# Altium PCB RFSOC_SAWG.PcbDoc (part 1 of 15) (continued)
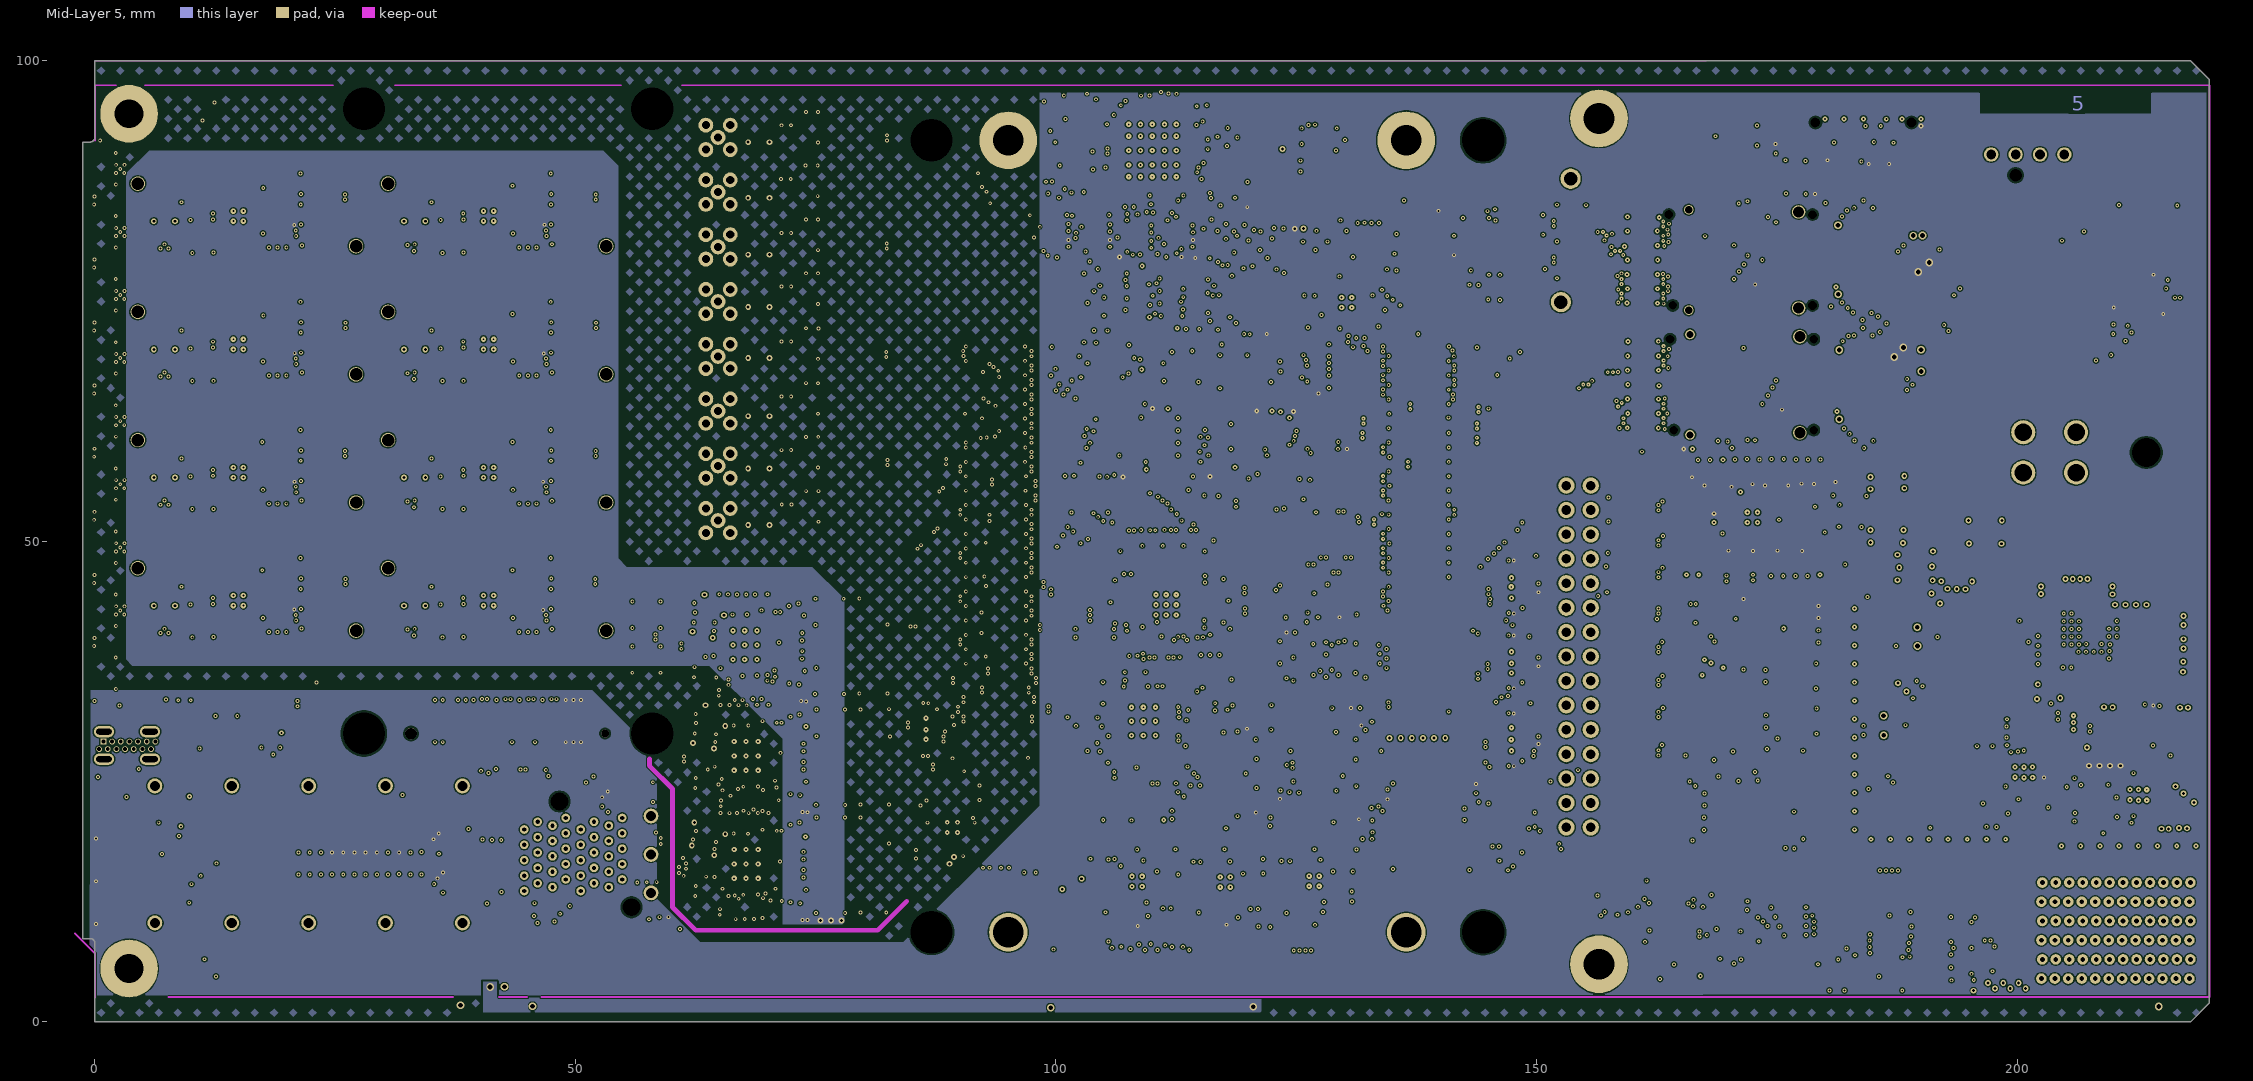
[diagram p5: Mid-Layer 5]
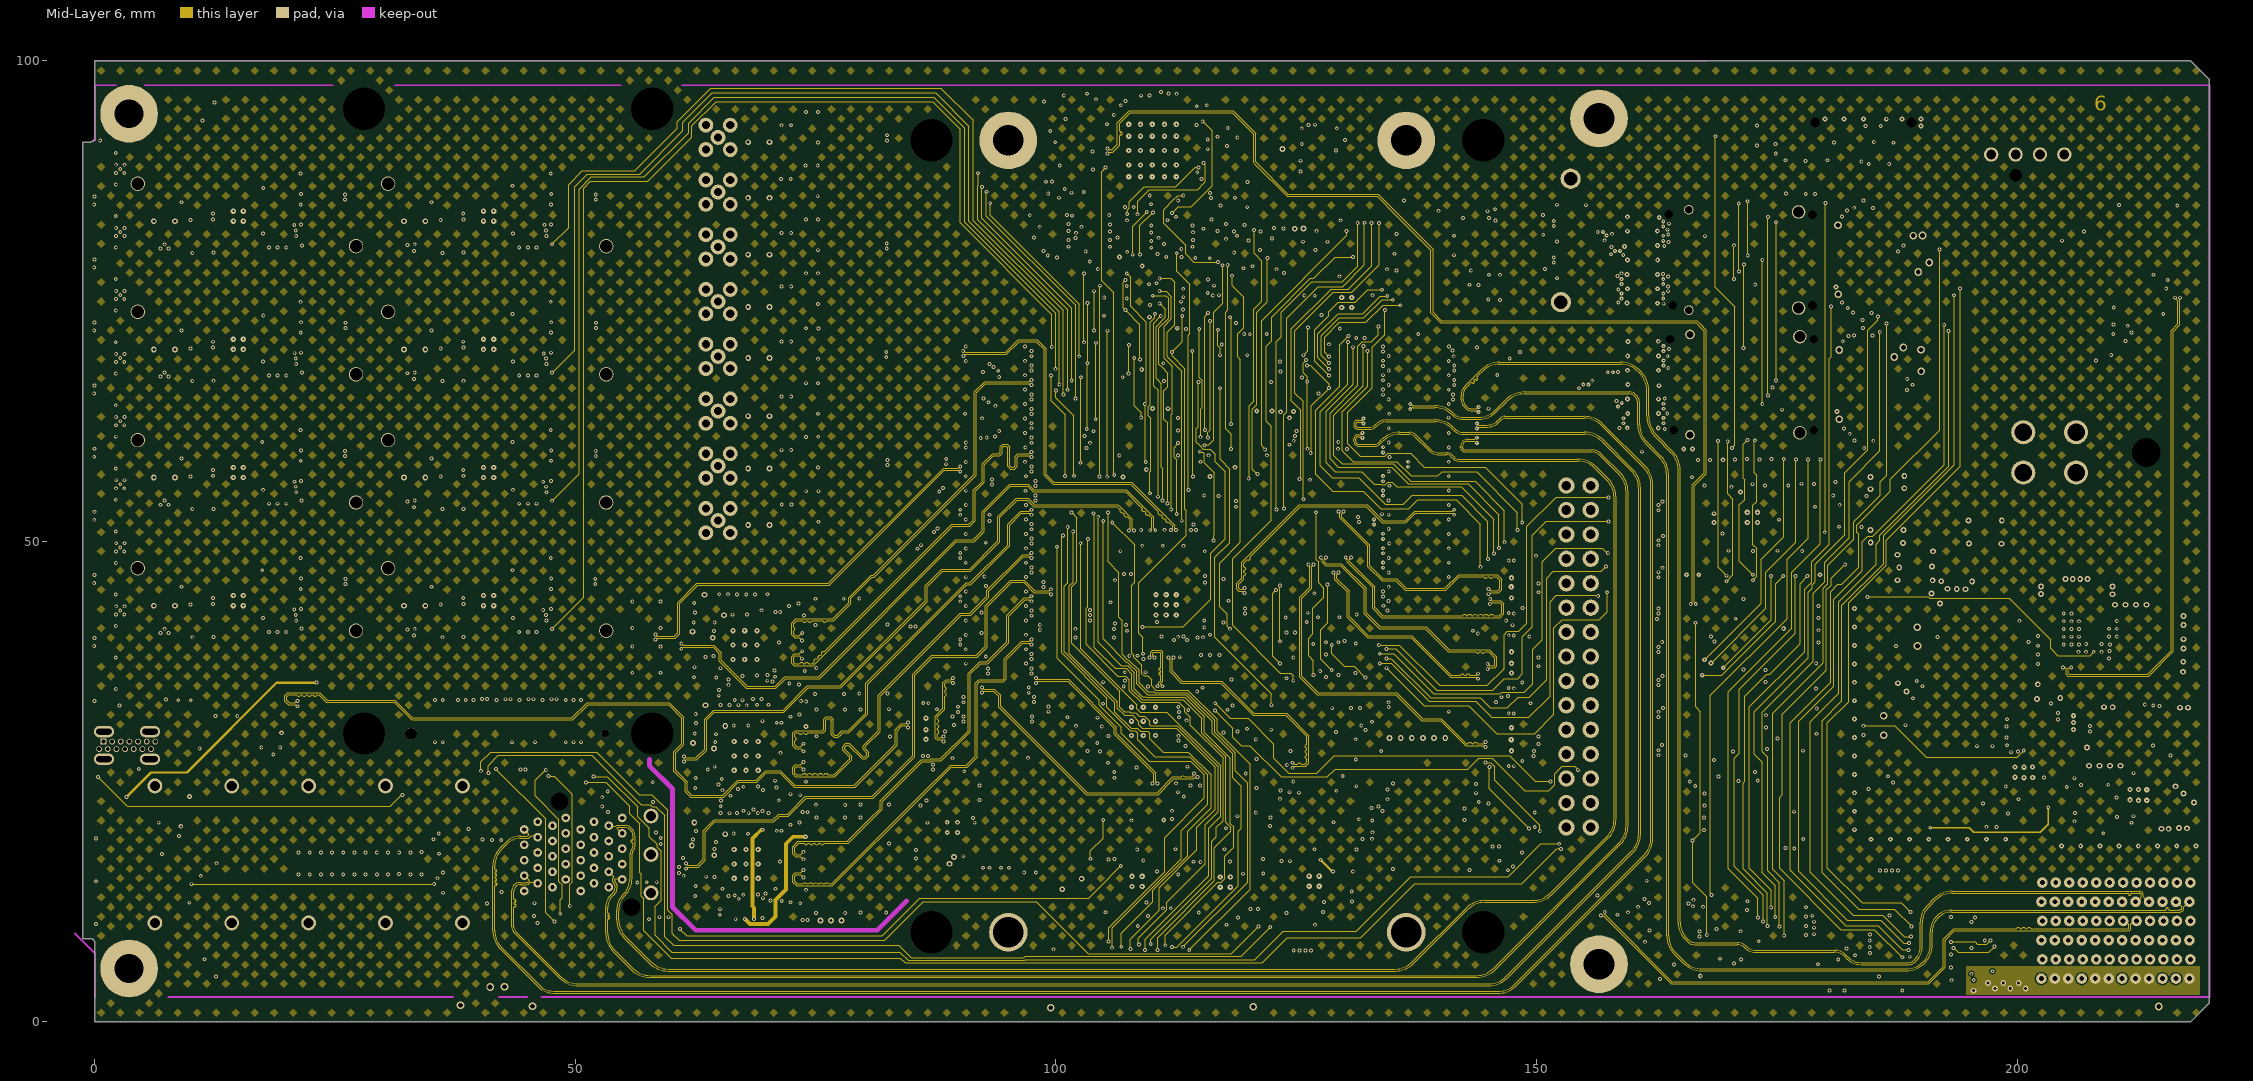
[diagram p6: Mid-Layer 6]
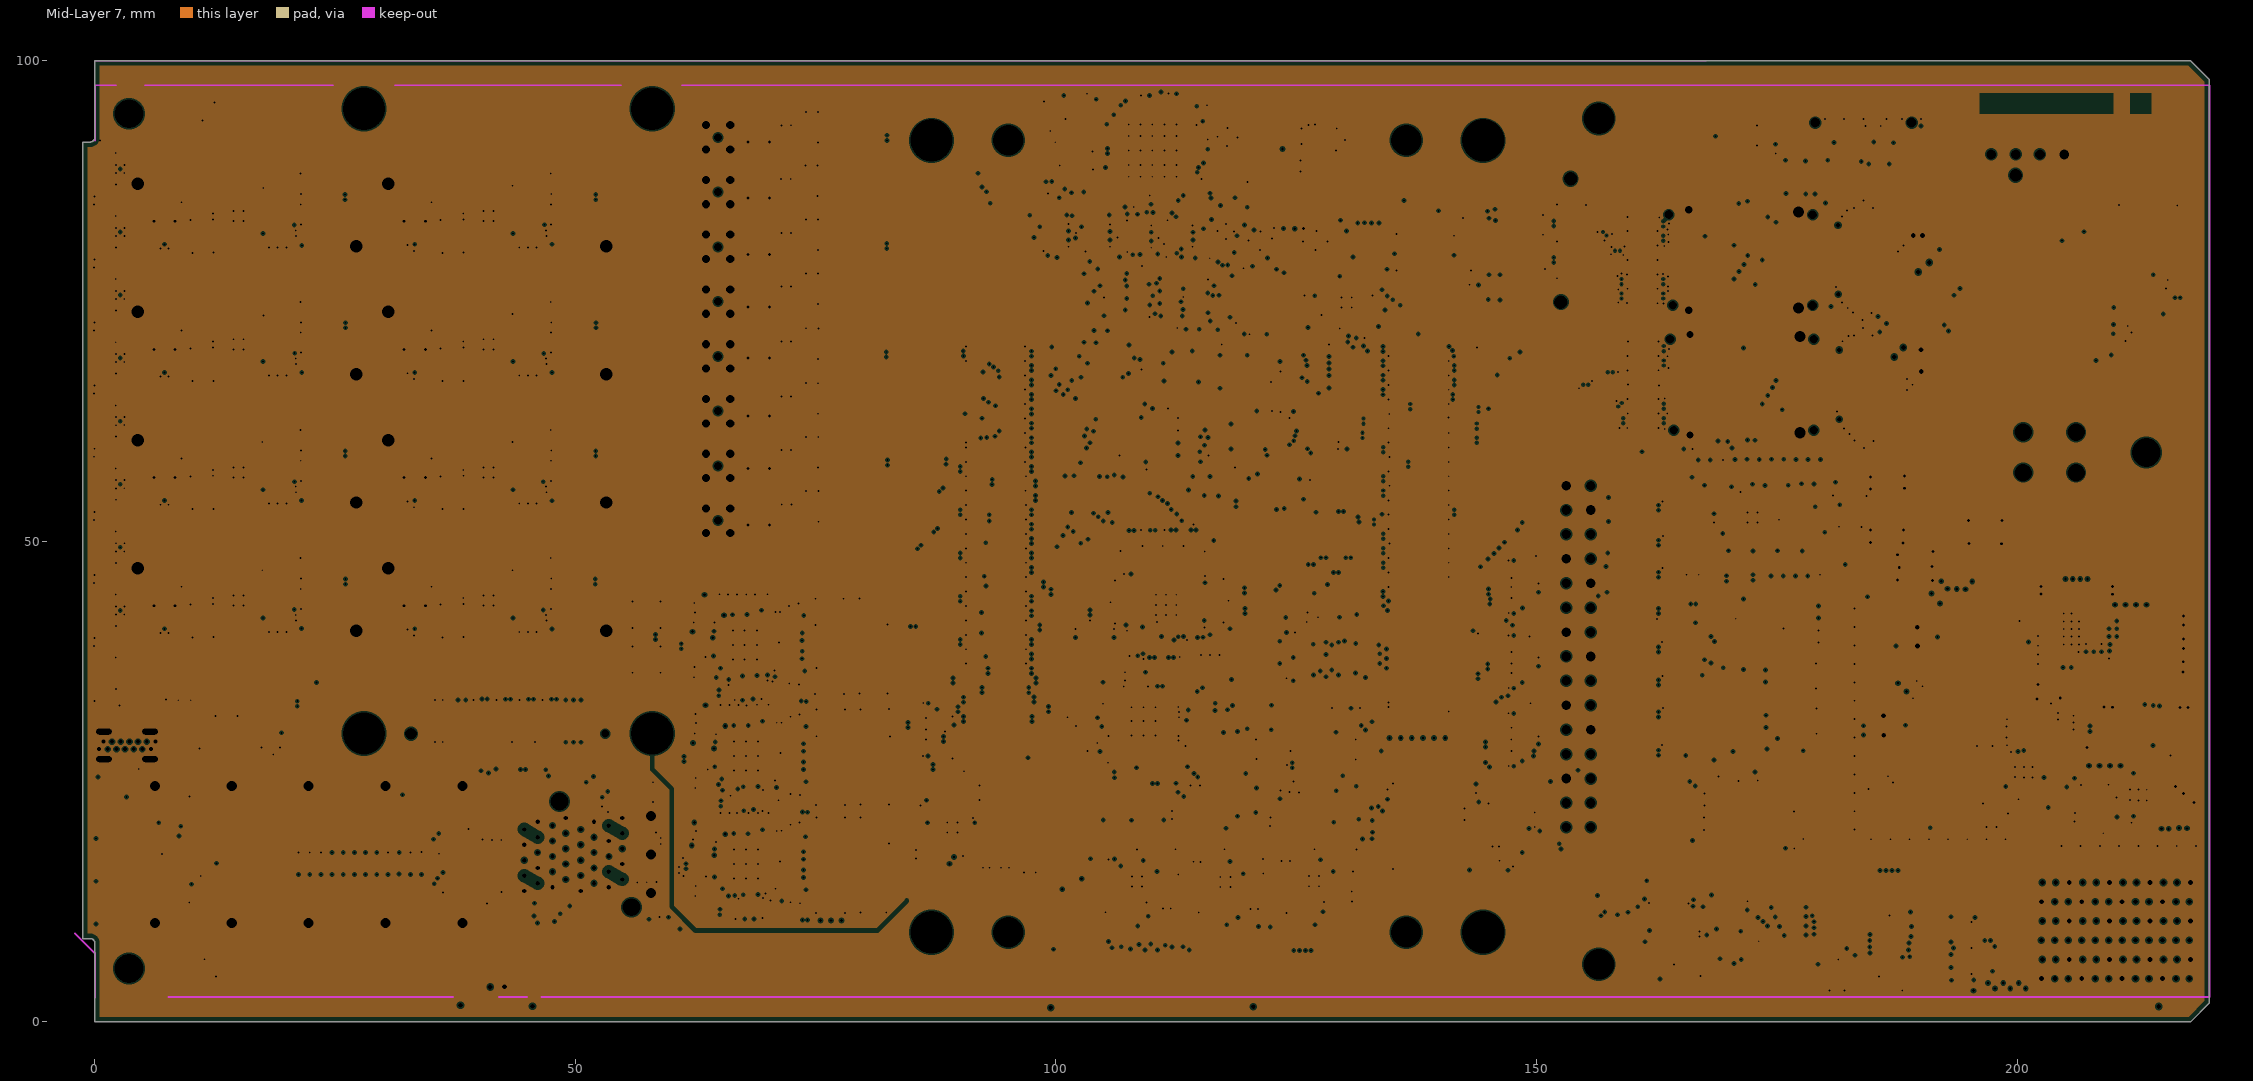
[diagram p7: Mid-Layer 7, clearances drawn from the general rule]

## Layer stack, top to bottom
Top Solder: solder mask 0.0102, Solder Resist, Dk 3.5
Top Layer: signal copper 0.047
Dielectric 1: dielectric 0.063, FR-4, Dk 4.3
Mid-Layer 2: plane copper 0.0175, net GND
Dielectric3: dielectric 0.2, FR-4, Dk 4.2
Mid-Layer 3: signal copper 0.0175
Dielectric5: dielectric 0.11, FR-4, Dk 4.2
Mid-Layer 4: signal copper 0.0175
Dielectric6: dielectric 0.51, FR-4, Dk 4.2
Mid-Layer 5: signal copper 0.0175
Dielectric2: dielectric 0.11, FR-4, Dk 4.2
Mid-Layer 6: signal copper 0.0175
Dielectric4: dielectric 0.2, FR-4, Dk 4.2
Mid-Layer 7: plane copper 0.0175, net GND
Dielectric7: dielectric 0.063, FR-4, Dk 4.3
Bottom Layer: signal copper 0.047
Bottom Solder: solder mask 0.0102, Solder Resist, Dk 3.5

## Board outline
-1.25,8.675 -1.25,91.547 -0.475,91.547 ccw(c-0.475,92.022) 0,92.022 0,100 -0.001,100 218.038,100 220,98.039 220,1.961 218.039,0 0,0 0,8.2 ccw(c-0.475,8.2) -0.475,8.675

## Design rules (kind name [scope] priority, off if disabled: settings)
AcuteAngle [All] p1: minimum=6.00000000000000E+0001 checktracksonly=FALSE
Clearance Clearance_balance [InNamedPolygon('balance')] p1: gap=0.2 ignorepadtopadclearanceinfootprint=FALSE except(0.4: Arc-Poly THPad-Poly Via-Poly)
Clearance Clearance_FF [InNetClass('FF') vs IsRegion] p2: gap=0.15 ignorepadtopadclearanceinfootprint=FALSE
Clearance Clearance_NPTH [(HoleDiameter > 0) And (PadIsPlated = 'False')] p3: gap=0.2 ignorepadtopadclearanceinfootprint=FALSE
Clearance Clearance_PWR_poly [IsRegion vs IsRegion] p4: gap=0.254 ignorepadtopadclearanceinfootprint=FALSE
Clearance Clearance_NT [InComponent('NT1')] p5: gap=0 ignorepadtopadclearanceinfootprint=FALSE
Clearance Clearance_BGA [HasFootprint('BGA49N80P7X7_625X625X536') or HasFootprint('MPS_MPM38XXGQV')] p6: gap=0.1 ignorepadtopadclearanceinfootprint=FALSE
Clearance Clearance_USB_Con [InComponent('J8') vs InNet('USB_D_R_N')] p7: gap=0.085 ignorepadtopadclearanceinfootprint=FALSE
Clearance [All] p8: gap=0.127 ignorepadtopadclearanceinfootprint=FALSE
ComponentClearance ComponentClearance_3Dbody [InComponent('J25') or InComponent('J24') or InComponent('J5') or InComponent('J6') or InComponent('J22') or InComponent('J23') or HasFootprint('AMPHENOL_302102')  or InComponent('J8') or InComponent('J53')  or InComponent('M*')  or InComponent('s*')  or OnLayer('Mechanical 13') vs isfree and OnLayer('Mechanical 13')] p1: gap=0 collisioncheckmode=3 verticalgap=0 showdistances=FALSE
ComponentClearance ComponentClearance_overlapping [InComponent('IC35') or InComponent('IC15') or InComponent('C196') or InComponent('IC5') or  InComponent('IC53')] p2: gap=0 collisioncheckmode=3 verticalgap=0 showdistances=FALSE
ComponentClearance [All] p3: gap=0.254 collisioncheckmode=3 verticalgap=0.254 showdistances=FALSE
DiffPairsRouting D90 [InDifferentialPair('USB0_D') or InDifferentialPair('USB_D_R')] p1: maxlimit=0.254 minlimit=0.127 mostfreqgap=0.254 toplayer_maxgap=0.127 toplayer_prefgap=0.127 toplayer_minwidth=0.093 toplayer_maxwidth=0.129 toplayer_prefwidth=0.093 midlayer2_maxgap=0.127 midlayer2_prefgap=0.127 midlayer2_minwidth=0.106 midlayer2_maxwidth=0.106 midlayer2_prefwidth=0.106 midlayer5_maxgap=0.127 midlayer5_prefgap=0.127 midlayer5_minwidth=0.106 midlayer5_maxwidth=0.106 midlayer5_prefwidth=0.106 bottomlayer_maxgap=0.127 bottomlayer_prefgap=0.127 bottomlayer_minwidth=0.093 bottomlayer_maxwidth=0.129 bottomlayer_prefwidth=0.093 impedanceprofiledriven=TRUE impedanceprofileid={A65DE351-53FD-44D6-B413-F23FB3AC8523} impedanceprofilevalue=90.000000 maxuncoupledlength=12.7
DiffPairsRouting D100 [All] p2: maxlimit=0.254 minlimit=0.1 mostfreqgap=0.254 toplayer_mingap=0.127 toplayer_maxgap=0.127 toplayer_prefgap=0.127 toplayer_minwidth=0.093 toplayer_maxwidth=0.093 toplayer_prefwidth=0.093 midlayer2_mingap=0.127 midlayer2_maxgap=0.127 midlayer2_prefgap=0.127 midlayer2_minwidth=0.08 midlayer2_maxwidth=0.08 midlayer2_prefwidth=0.08 midlayer5_mingap=0.127 midlayer5_maxgap=0.127 midlayer5_prefgap=0.127 midlayer5_minwidth=0.08 midlayer5_maxwidth=0.08 midlayer5_prefwidth=0.08 bottomlayer_mingap=0.127 bottomlayer_maxgap=0.127 bottomlayer_prefgap=0.127 bottomlayer_minwidth=0.093 bottomlayer_maxwidth=0.093 bottomlayer_prefwidth=0.093 impedanceprofiledriven=TRUE impedanceprofileid={F7586433-800A-4C44-BFB3-C3DDBEA72BA1} impedanceprofilevalue=100.000000 maxuncoupledlength=40
Height [not InComponent('J53')] p1: minheight=0 maxheight=25.4 prefheight=12.7
HoleSize [All] p1: absolutevalues=TRUE maxlimit=10 minlimit=0.15 maxpercent=80.000 minpercent=20.000
HoleToHoleClearance [All] p1: gap=0.254 allowstackedmicrovias=FALSE
MatchedLengths BP_LVDS [InxSignalClass('xBP_LVDS')] p1: tolerance=10 checknetsindiffpair=FALSE checkdiffpairvsdiffpair=TRUE checkxsignals=TRUE checkothers=TRUE
MatchedLengths ACDDACCLK [InxSignalClass('xADCDACCLK')] p2: tolerance=0.2 checknetsindiffpair=FALSE checkdiffpairvsdiffpair=TRUE checkxsignals=TRUE checkothers=TRUE
MatchedLengths RFPLL_REFin [InDifferentialPair('RFPLL_REFin0') or InDifferentialPair('RFPLL_REFin1') or InDifferentialPair('RFPLL_REFin2')] p3: tolerance=0.2 checknetsindiffpair=FALSE checkdiffpairvsdiffpair=TRUE checkxsignals=TRUE checkothers=TRUE
MatchedLengths MGT [InNetClass('MGT')] p4: tolerance=0.1 checknetsindiffpair=TRUE checkdiffpairvsdiffpair=FALSE checkxsignals=FALSE checkothers=FALSE
MatchedLengths DAC_OUT [InNet('DAC_OUT*')] p5: tolerance=0.2 checknetsindiffpair=FALSE checkdiffpairvsdiffpair=TRUE checkxsignals=TRUE checkothers=TRUE
MatchedLengths DAC [InxSignalClass('xDAC')] p6: tolerance=0.2 checknetsindiffpair=FALSE checkdiffpairvsdiffpair=TRUE checkxsignals=TRUE checkothers=TRUE
MatchedLengths ADC [InxSignalClass('xADC_GR1')] p7: tolerance=0.2 checknetsindiffpair=FALSE checkdiffpairvsdiffpair=TRUE checkxsignals=TRUE checkothers=TRUE
MatchedLengths EEM [InxSignalClass('EEMx')] p8: tolerance=10 checknetsindiffpair=FALSE checkdiffpairvsdiffpair=TRUE checkxsignals=TRUE checkothers=TRUE
MatchedLengths Diff [InAnyDifferentialPair and not( InDifferentialPair('DX') or InDifferentialPair('ADC0G') or InDifferentialPair('Main_DCXO'))] p9: tolerance=1 checknetsindiffpair=TRUE checkdiffpairvsdiffpair=FALSE checkxsignals=FALSE checkothers=FALSE
MatchedLengths SD [InxSignalClass('SDx')] p10: tolerance=7 checknetsindiffpair=FALSE checkdiffpairvsdiffpair=TRUE checkxsignals=TRUE checkothers=TRUE
MinimumAnnularRing MinimumAnnularRing_outer [OnBottom or OnTop] p1: minimumring=0.05
MinimumAnnularRing MinimumAnnularRing_inner [OnMid] p2: minimumring=0.1
PlaneClearance PlaneClearance_1 [InNetClass('MGT') and InComponent('J19')] p1: clearance=0.5
PlaneClearance PlaneClearance_Diff [InAnyDifferentialPair] p2: clearance=0.275
PlaneClearance [All] p3: clearance=0.15
PlaneConnect PlaneConnect_J8 [InComponent('J8')] p1: planeconnectstyle=Relief reliefexpansion=0.254 reliefentries=4 reliefconductorwidth=0.254 reliefairgap=0.15
PlaneConnect PlaneConnect_Relief [HasFootprint('SAMTEC_MMCX-J-P-H-ST-TH1')   or HasFootprint('3670230')   or InComponent('J32')  or InComponent('J21')  or (HoleDiameter = 1.15) or (HoleDiameter = 0.75)] p2: planeconnectstyle=Relief reliefexpansion=0.2 reliefentries=4 reliefconductorwidth=0.254 reliefairgap=0.2
PlaneConnect [All] p3: planeconnectstyle=Direct reliefexpansion=0.508 reliefentries=4 reliefconductorwidth=0.254 reliefairgap=0.254
PolygonConnect PolygonConnect_GND [InNetClass('PWR') and InNet('GND')] p1: thpad.connectstyle=Relief thpad.reliefconductorwidth=0.254 thpad.reliefentries=4 thpad.polygonreliefangle="90 Angle" thpad.airgapwidth=0.254 smdpad.connectstyle=Relief smdpad.reliefconductorwidth=0.6 smdpad.reliefentries=4 smdpad.polygonreliefangle="90 Angle" smdpad.airgapwidth=0.254 via.connectstyle=Direct via.reliefconductorwidth=0.254 via.reliefentries=4 via.polygonreliefangle="90 Angle" via.airgapwidth=0.254
PolygonConnect PolygonConnect_Direct [(InNetClass('PWR')  and not InNet('GND') and not InComponent('J32'))  Or InNetClass('ESD_STRIP')] p2: connectstyle=Direct reliefconductorwidth=0.254 reliefentries=4 polygonreliefangle="90 Angle" airgapwidth=0.254
PolygonConnect [All] p3: thpad.connectstyle=Relief thpad.reliefconductorwidth=0.4 thpad.reliefentries=4 thpad.polygonreliefangle="90 Angle" thpad.airgapwidth=0.254 smdpad.connectstyle=Relief smdpad.reliefconductorwidth=0.254 smdpad.reliefentries=4 smdpad.polygonreliefangle="90 Angle" smdpad.airgapwidth=0.254 via.connectstyle=Direct via.reliefconductorwidth=0.254 via.reliefentries=4 via.polygonreliefangle="90 Angle" via.airgapwidth=0.254
ReturnPath Diff_HS [InNetClass('FF')] p1: impedanceprofileid={F7586433-800A-4C44-BFB3-C3DDBEA72BA1} _gaplimit=0.1 _useantipads=TRUE
ReturnPath SE50 [InNet('DAC_OUT*')] p2: impedanceprofileid={F8AF8EEF-587B-4246-B7B2-4F5CC25CB936} _gaplimit=0.1 _useantipads=TRUE
RoomDefinition U_RF_PLL_channel2 [InComponentClass('U_RF_PLL_channel2')] p1: confinementstyle=ConfineIn formatcopy=TRUE lockcomponents=FALSE outline 61.047,33.318 83.399,33.318 83.399,44.583 61.047,44.583
RoomDefinition U_RF_PLL_channel1 [InComponentClass('U_RF_PLL_channel1')] p2: confinementstyle=ConfineIn formatcopy=TRUE lockcomponents=FALSE outline 61.175,21.785 83.527,21.785 83.527,34.46 61.175,34.46
RoomDefinition U_RF_PLL_channel0 [InComponentClass('U_RF_PLL_channel0')] p3: confinementstyle=ConfineIn formatcopy=TRUE lockcomponents=FALSE outline 61.175,10.544 83.527,10.544 83.527,23.219 61.175,23.219
RoomDefinition Artix [InComponentClass('Artix')] p4: confinementstyle=ConfineIn formatcopy=TRUE lockcomponents=FALSE outline -18.97,-15.654 31.83,-15.654 31.83,9.746 -18.97,9.746
RoomDefinition U_AWG_USB_Serial_Quad [InComponentClass('U_AWG_USB_Serial_Quad')] p5: confinementstyle=ConfineIn formatcopy=TRUE lockcomponents=FALSE outline 133.1,158.025 163.6,158.025 163.6,187.325 133.1,187.325
RoomDefinition U_AWG_mechanics [InComponentClass('U_AWG_mechanics')] p6: confinementstyle=ConfineIn formatcopy=TRUE lockcomponents=FALSE outline 221.187,9.264 334.852,9.264 334.852,19.678 221.187,19.678
RoomDefinition U_SPI_Extender [InComponentClass('U_SPI_Extender')] p7: confinementstyle=ConfineIn formatcopy=TRUE lockcomponents=FALSE outline 128.2,117 179,117 179,142.4 128.2,142.4
RoomDefinition U_AWG_SFPs [InComponentClass('U_AWG_SFPs')] p8: confinementstyle=ConfineIn formatcopy=TRUE lockcomponents=FALSE outline -9.691,26.127 62.078,26.127 62.078,5.045 -9.691,5.045
RoomDefinition U_SD [InComponentClass('U_SD')] p9: confinementstyle=ConfineIn formatcopy=TRUE lockcomponents=FALSE outline 116.729,72.915 134.619,72.915 134.619,96.852 116.729,96.852
RoomDefinition U_PWR_5V [InComponentClass('U_PWR_5V')] p10: confinementstyle=ConfineIn formatcopy=TRUE lockcomponents=FALSE outline 286.54,44.738 253.625,44.738 253.625,74.703 286.54,74.703
RoomDefinition U_PWR_3V3 [InComponentClass('U_PWR_3V3')] p11: confinementstyle=ConfineIn formatcopy=TRUE lockcomponents=FALSE outline 202.019,-15.654 177,-15.654 177,-8.288 202.019,-8.288
RoomDefinition U_PWR_1V8 [InComponentClass('U_PWR_1V8')] p12: confinementstyle=ConfineIn formatcopy=TRUE lockcomponents=FALSE outline 214.239,2.888 214.239,-15.654 207,-15.654 207,2.888
RoomDefinition U_I2C_MUX [InComponentClass('U_I2C_MUX')] p13: confinementstyle=ConfineIn formatcopy=TRUE lockcomponents=FALSE outline 202.978,140.898 182.269,140.898 182.269,172.028 202.978,172.028
RoomDefinition FPGA_JTAG [InComponentClass('FPGA_JTAG')] p14: confinementstyle=ConfineIn formatcopy=TRUE lockcomponents=FALSE outline 117.111,-15.654 143.111,-15.654 143.111,3.346 117.111,3.346
RoomDefinition U_FireFly_AB [InComponentClass('U_FireFly_AB')] p15: confinementstyle=ConfineIn formatcopy=TRUE lockcomponents=FALSE outline 157.56,60 189,60 189,85.562 157.56,85.562
RoomDefinition U_CLK_MUX [InComponentClass('U_CLK_MUX')] p16: confinementstyle=ConfineIn formatcopy=TRUE lockcomponents=FALSE outline 180.105,89.987 180.105,99.154 154.705,99.154 154.705,89.987
RoomDefinition U_DAC_Output_CH7 [InComponentClass('U_DAC_Output_CH7')] p17: confinementstyle=ConfineIn formatcopy=TRUE lockcomponents=FALSE outline 54.163,37.305 28.528,37.305 28.528,50.64 54.163,50.64
RoomDefinition U_DAC_Output_CH6 [InComponentClass('U_DAC_Output_CH6')] p18: confinementstyle=ConfineIn formatcopy=TRUE lockcomponents=FALSE outline 28.128,37.305 2.493,37.305 2.493,50.64 28.128,50.64
RoomDefinition U_DAC_Output_CH5 [InComponentClass('U_DAC_Output_CH5')] p19: confinementstyle=ConfineIn formatcopy=TRUE lockcomponents=FALSE outline 54.163,50.64 28.528,50.64 28.528,63.975 54.163,63.975
RoomDefinition U_DAC_Output_CH4 [InComponentClass('U_DAC_Output_CH4')] p20: confinementstyle=ConfineIn formatcopy=TRUE lockcomponents=FALSE outline 28.128,50.64 2.493,50.64 2.493,63.975 28.128,63.975
RoomDefinition U_DAC_Output_CH3 [InComponentClass('U_DAC_Output_CH3')] p21: confinementstyle=ConfineIn formatcopy=TRUE lockcomponents=FALSE outline 54.163,63.975 28.528,63.975 28.528,77.31 54.163,77.31
RoomDefinition U_DAC_Output_CH2 [InComponentClass('U_DAC_Output_CH2')] p22: confinementstyle=ConfineIn formatcopy=TRUE lockcomponents=FALSE outline 28.128,63.975 2.493,63.975 2.493,77.31 28.128,77.31
RoomDefinition U_DAC_Output_CH1 [InComponentClass('U_DAC_Output_CH1')] p23: confinementstyle=ConfineIn formatcopy=TRUE lockcomponents=FALSE outline 54.163,77.31 28.528,77.31 28.528,90.645 54.163,90.645
RoomDefinition U_DAC_Output_CH0 [InComponentClass('U_DAC_Output_CH0')] p24: confinementstyle=ConfineIn formatcopy=TRUE lockcomponents=FALSE outline 28.128,77.31 2.493,77.31 2.493,90.645 28.128,90.645
RoomDefinition U_B2B_2 [InComponentClass('U_B2B_2')] p25: confinementstyle=ConfineIn formatcopy=TRUE lockcomponents=FALSE outline 83.519,23.335 100.029,23.335 100.029,74.135 83.519,74.135
RoomDefinition U_B2B_1 [InComponentClass('U_B2B_1')] p26: confinementstyle=ConfineIn formatcopy=TRUE lockcomponents=FALSE outline 133.557,25.24 144.606,25.24 144.606,75.278 133.557,75.278
RoomDefinition U_AWG_EEM_Connectors_JTAG [InComponentClass('U_AWG_EEM_Connectors_JTAG')] p27: confinementstyle=ConfineIn formatcopy=TRUE lockcomponents=FALSE outline 149,14 164,14 164,62 149,62
RoomDefinition U_AWG_CPCIS_Connectors_P1_P6 [InComponentClass('U_AWG_CPCIS_Connectors_P1_P6')] p28: confinementstyle=ConfineIn formatcopy=TRUE lockcomponents=FALSE outline 234,100 196.168,100 196.168,77 234,77
RoomDefinition U_AWG_ClockRecovery [InComponentClass('U_AWG_ClockRecovery')] p29: confinementstyle=ConfineIn formatcopy=TRUE lockcomponents=FALSE outline 126.239,25.99 126.239,4.175 100.839,4.175 100.839,25.99
RoomDefinition U_ADC_Input_CH7 [InComponentClass('U_ADC_Input_CH7')] p30: confinementstyle=ConfineIn formatcopy=TRUE lockcomponents=FALSE outline 80.874,94.844 62.664,94.844 62.664,89.256 80.874,89.256
RoomDefinition U_ADC_Input_CH6 [InComponentClass('U_ADC_Input_CH6')] p31: confinementstyle=ConfineIn formatcopy=TRUE lockcomponents=FALSE outline 80.885,83.649 69.505,83.649 69.505,78.061 80.885,78.061
RoomDefinition U_ADC_Input_CH5 [InComponentClass('U_ADC_Input_CH5')] p32: confinementstyle=ConfineIn formatcopy=TRUE lockcomponents=FALSE outline 80.885,72.346 69.505,72.346 69.505,66.758 80.885,66.758
RoomDefinition U_ADC_Input_CH4 [InComponentClass('U_ADC_Input_CH4')] p33: confinementstyle=ConfineIn formatcopy=TRUE lockcomponents=FALSE outline 80.885,61.043 69.505,61.043 69.505,55.455 80.885,55.455
RoomDefinition U_ADC_Input_CH3 [InComponentClass('U_ADC_Input_CH3')] p34: confinementstyle=ConfineIn formatcopy=TRUE lockcomponents=FALSE outline 80.884,89.267 62.651,89.267 62.651,83.653 80.884,83.653
RoomDefinition U_ADC_Input_CH2 [InComponentClass('U_ADC_Input_CH2')] p35: confinementstyle=ConfineIn formatcopy=TRUE lockcomponents=FALSE outline 80.885,78.061 69.505,78.061 69.505,72.473 80.885,72.473
RoomDefinition U_ADC_Input_CH1 [InComponentClass('U_ADC_Input_CH1')] p36: confinementstyle=ConfineIn formatcopy=TRUE lockcomponents=FALSE outline 80.885,66.631 69.505,66.631 69.505,61.043 80.885,61.043
RoomDefinition U_ADC_Input_CH0 [InComponentClass('U_ADC_Input_CH0')] p37: confinementstyle=ConfineIn formatcopy=TRUE lockcomponents=FALSE outline 80.911,55.394 69.531,55.394 69.531,49.806 80.911,49.806
RoomDefinition SATA [InComponentClass('SATA')] p38: confinementstyle=ConfineIn formatcopy=TRUE lockcomponents=FALSE outline 108.612,-15.654 84.355,-15.654 84.355,-2.319 108.612,-2.319
RoomDefinition RFSOC_SAWG [InComponentClass('RFSOC_SAWG')] p39: confinementstyle=ConfineIn formatcopy=TRUE lockcomponents=FALSE outline 14.685,104.488 23.829,104.488 23.829,97.63 14.685,97.63
RoomDefinition Overlapping [InComponentClass('Overlapping')] p40: confinementstyle=ConfineIn formatcopy=TRUE lockcomponents=FALSE outline 241.126,-5.494 196.549,-5.494 196.549,21.303 241.126,21.303